# Altium PCB MIS_Locker.PcbDoc (part 1 of 3) (continued)
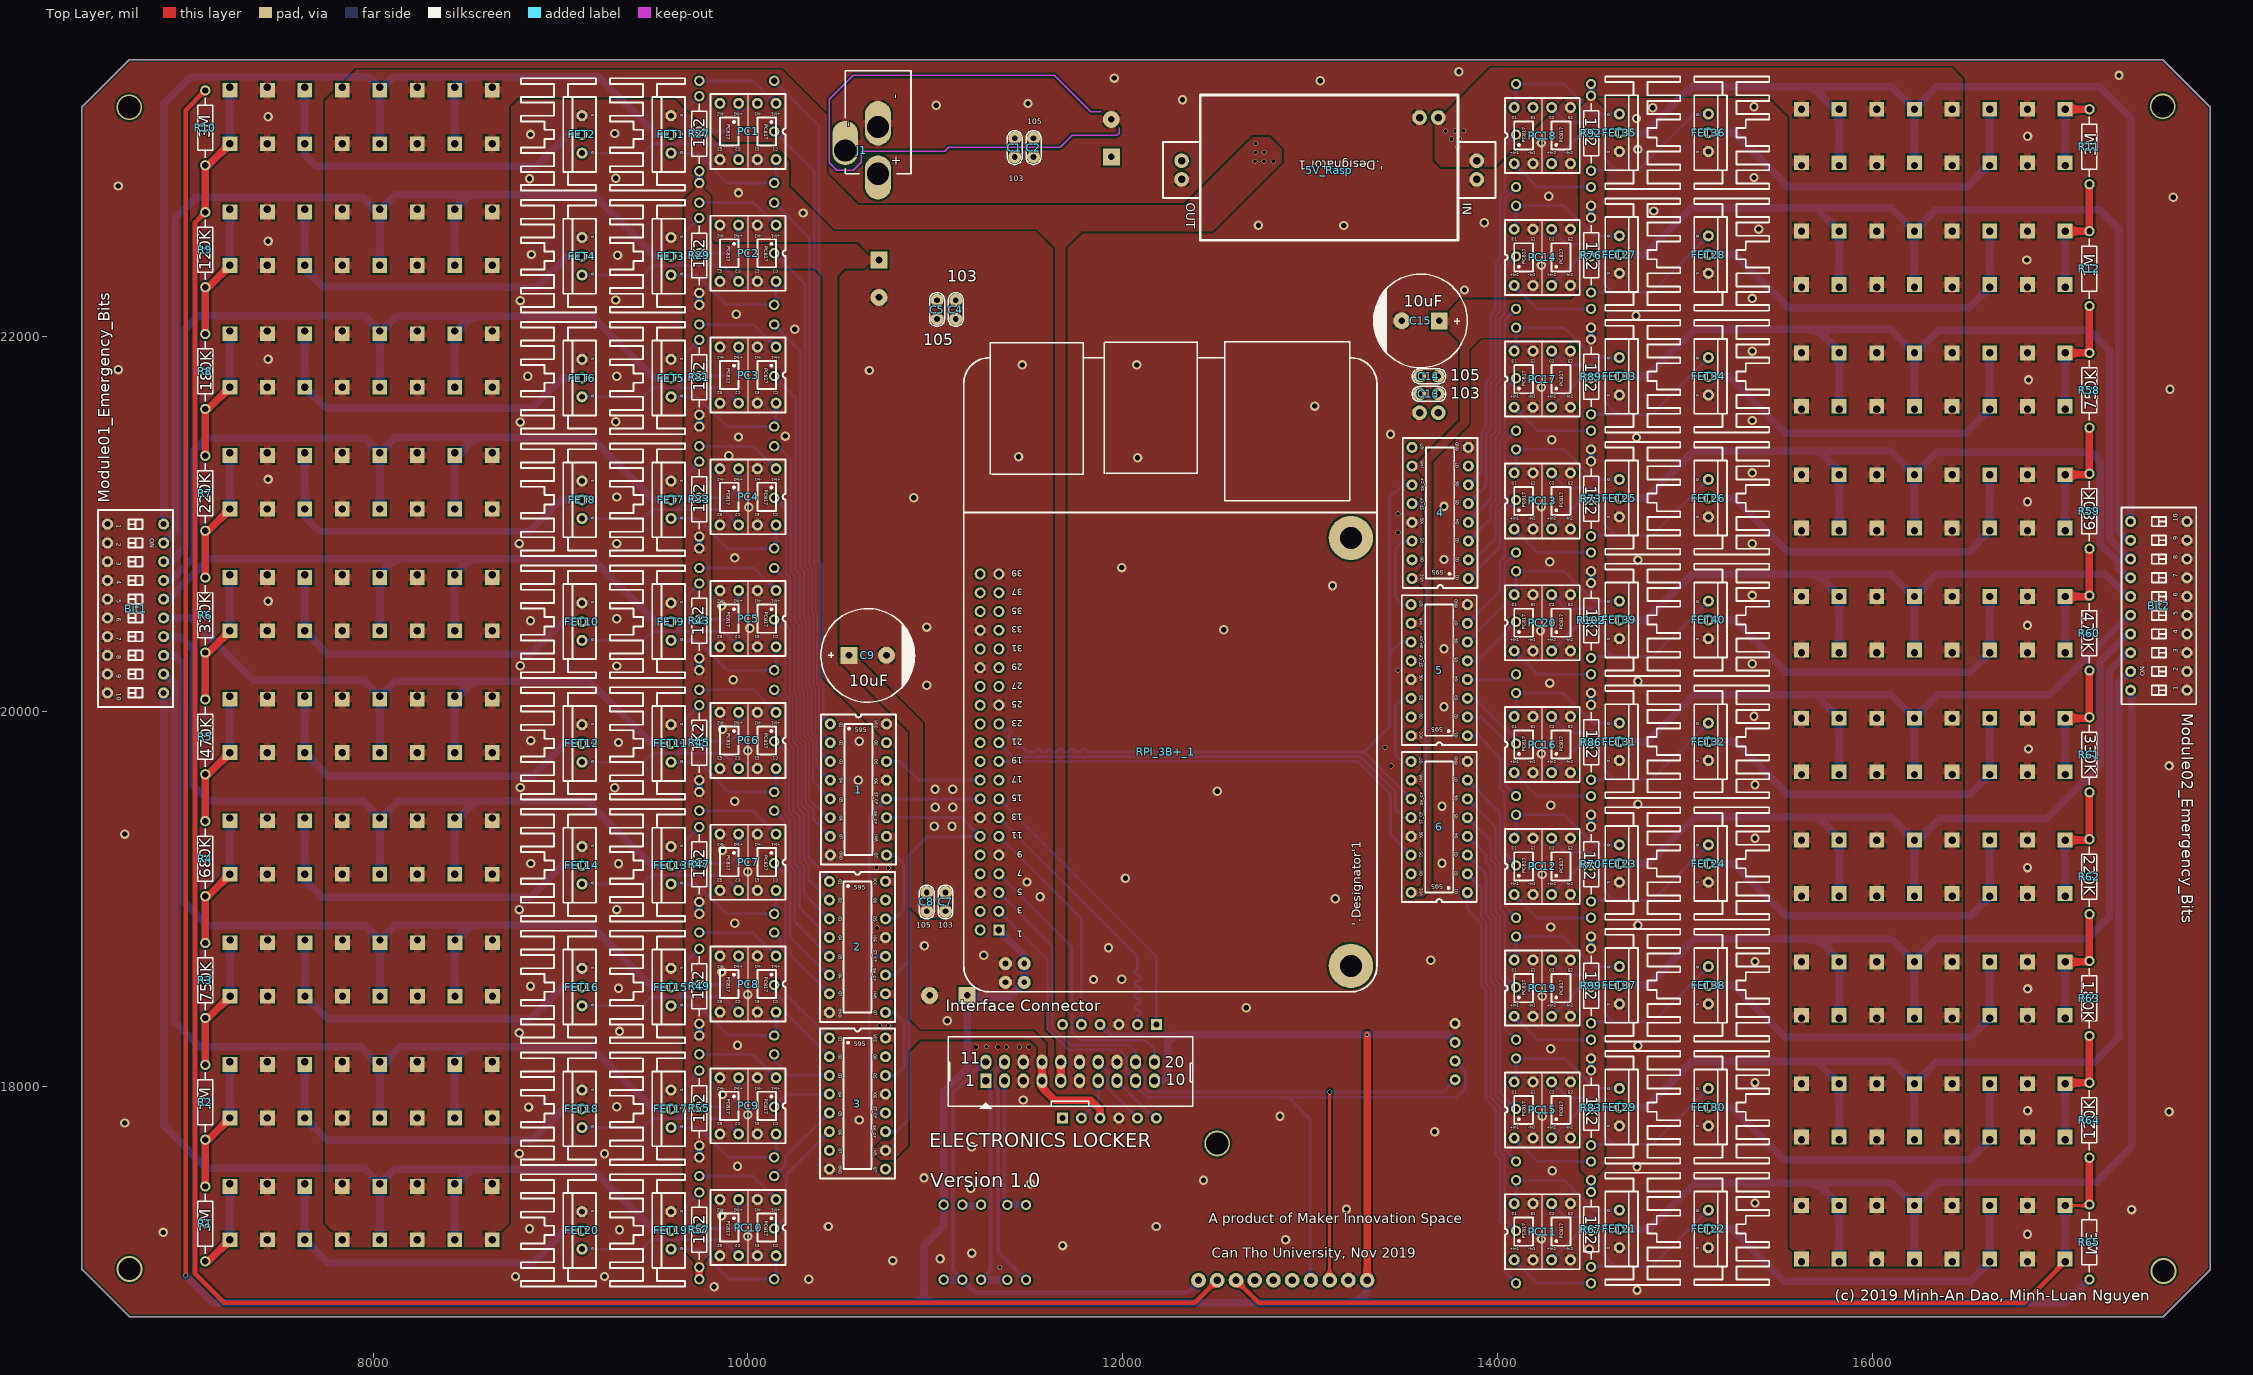
[diagram p0: Top Layer view]
## Design rules (kind name [scope] priority, off if disabled: settings) (continued)
PolygonConnect PolygonConnect_14 [All vs IsNamedPolygon('Bottom Layer-5V')] p28: thpad.connectstyle=Relief thpad.reliefconductorwidth=40 thpad.reliefentries=4 thpad.polygonreliefangle="90 Angle" thpad.airgapwidth=10 smdpad.connectstyle=Relief smdpad.reliefconductorwidth=10 smdpad.reliefentries=4 smdpad.polygonreliefangle="90 Angle" smdpad.airgapwidth=10 via.connectstyle=Direct via.reliefconductorwidth=10 via.reliefentries=4 via.polygonreliefangle="90 Angle" via.airgapwidth=10
PolygonConnect PolygonConnect_13 [All vs IsNamedPolygon('Top Layer-5V 1')] p29: thpad.connectstyle=Relief thpad.reliefconductorwidth=40 thpad.reliefentries=4 thpad.polygonreliefangle="90 Angle" thpad.airgapwidth=10 smdpad.connectstyle=Relief smdpad.reliefconductorwidth=10 smdpad.reliefentries=4 smdpad.polygonreliefangle="90 Angle" smdpad.airgapwidth=10 via.connectstyle=Direct via.reliefconductorwidth=10 via.reliefentries=4 via.polygonreliefangle="90 Angle" via.airgapwidth=10
PolygonConnect PolygonConnect_12 [All vs IsNamedPolygon('Top Layer-5V')] p30: thpad.connectstyle=Relief thpad.reliefconductorwidth=40 thpad.reliefentries=4 thpad.polygonreliefangle="90 Angle" thpad.airgapwidth=10 smdpad.connectstyle=Relief smdpad.reliefconductorwidth=10 smdpad.reliefentries=4 smdpad.polygonreliefangle="90 Angle" smdpad.airgapwidth=10 via.connectstyle=Direct via.reliefconductorwidth=10 via.reliefentries=4 via.polygonreliefangle="90 Angle" via.airgapwidth=10
PolygonConnect PolygonConnect_11 [All vs IsNamedPolygon('Top Layer-5V')] p31: thpad.connectstyle=Relief thpad.reliefconductorwidth=40 thpad.reliefentries=4 thpad.polygonreliefangle="90 Angle" thpad.airgapwidth=10 smdpad.connectstyle=Relief smdpad.reliefconductorwidth=10 smdpad.reliefentries=4 smdpad.polygonreliefangle="90 Angle" smdpad.airgapwidth=10 via.connectstyle=Direct via.reliefconductorwidth=10 via.reliefentries=4 via.polygonreliefangle="90 Angle" via.airgapwidth=10
PolygonConnect PolygonConnect_10 [All vs IsNamedPolygon('Top Layer-12V 3')] p32: thpad.connectstyle=Relief thpad.reliefconductorwidth=40 thpad.reliefentries=4 thpad.polygonreliefangle="90 Angle" thpad.airgapwidth=10 smdpad.connectstyle=Relief smdpad.reliefconductorwidth=10 smdpad.reliefentries=4 smdpad.polygonreliefangle="90 Angle" smdpad.airgapwidth=10 via.connectstyle=Direct via.reliefconductorwidth=10 via.reliefentries=4 via.polygonreliefangle="90 Angle" via.airgapwidth=10
PolygonConnect PolygonConnect_9 [All vs IsNamedPolygon('12V_L01_P030')] p33: thpad.connectstyle=Relief thpad.reliefconductorwidth=40 thpad.reliefentries=4 thpad.polygonreliefangle="90 Angle" thpad.airgapwidth=10 smdpad.connectstyle=Relief smdpad.reliefconductorwidth=10 smdpad.reliefentries=4 smdpad.polygonreliefangle="90 Angle" smdpad.airgapwidth=10 via.connectstyle=Direct via.reliefconductorwidth=10 via.reliefentries=4 via.polygonreliefangle="90 Angle" via.airgapwidth=10
PolygonConnect PolygonConnect_8 [All vs IsNamedPolygon('12V_L02_P016')] p34: thpad.connectstyle=Relief thpad.reliefconductorwidth=40 thpad.reliefentries=4 thpad.polygonreliefangle="90 Angle" thpad.airgapwidth=10 smdpad.connectstyle=Relief smdpad.reliefconductorwidth=10 smdpad.reliefentries=4 smdpad.polygonreliefangle="90 Angle" smdpad.airgapwidth=10 via.connectstyle=Direct via.reliefconductorwidth=10 via.reliefentries=4 via.polygonreliefangle="90 Angle" via.airgapwidth=10
PolygonConnect PolygonConnect_7 [All vs IsNamedPolygon('Isolated_GND')] p35: thpad.connectstyle=Relief thpad.reliefconductorwidth=40 thpad.reliefentries=4 thpad.polygonreliefangle="90 Angle" thpad.airgapwidth=10 smdpad.connectstyle=Relief smdpad.reliefconductorwidth=10 smdpad.reliefentries=4 smdpad.polygonreliefangle="90 Angle" smdpad.airgapwidth=10 via.connectstyle=Direct via.reliefconductorwidth=10 via.reliefentries=4 via.polygonreliefangle="90 Angle" via.airgapwidth=10
PolygonConnect PolygonConnect_6 [All vs IsNamedPolygon('Top Layer-12V')] p36: thpad.connectstyle=Relief thpad.reliefconductorwidth=40 thpad.reliefentries=4 thpad.polygonreliefangle="90 Angle" thpad.airgapwidth=10 smdpad.connectstyle=Relief smdpad.reliefconductorwidth=10 smdpad.reliefentries=4 smdpad.polygonreliefangle="90 Angle" smdpad.airgapwidth=10 via.connectstyle=Direct via.reliefconductorwidth=10 via.reliefentries=4 via.polygonreliefangle="90 Angle" via.airgapwidth=10
PolygonConnect PolygonConnect_5 [All vs IsNamedPolygon('Top Layer-12V')] p37: thpad.connectstyle=Relief thpad.reliefconductorwidth=40 thpad.reliefentries=4 thpad.polygonreliefangle="90 Angle" thpad.airgapwidth=10 smdpad.connectstyle=Relief smdpad.reliefconductorwidth=10 smdpad.reliefentries=4 smdpad.polygonreliefangle="90 Angle" smdpad.airgapwidth=10 via.connectstyle=Relief via.reliefconductorwidth=10 via.reliefentries=4 via.polygonreliefangle="90 Angle" via.airgapwidth=10
PolygonConnect PolygonConnect_4 [All vs IsNamedPolygon('Top Layer-12V 1')] p38: thpad.connectstyle=NoConnect thpad.reliefconductorwidth=10 thpad.reliefentries=4 thpad.polygonreliefangle="90 Angle" thpad.airgapwidth=10 smdpad.connectstyle=Relief smdpad.reliefconductorwidth=10 smdpad.reliefentries=4 smdpad.polygonreliefangle="90 Angle" smdpad.airgapwidth=10 via.connectstyle=Relief via.reliefconductorwidth=10 via.reliefentries=4 via.polygonreliefangle="90 Angle" via.airgapwidth=10
PolygonConnect PolygonConnect_3 [All vs IsNamedPolygon('Bottom Layer-12V 1')] p39: thpad.connectstyle=Relief thpad.reliefconductorwidth=40 thpad.reliefentries=4 thpad.polygonreliefangle="90 Angle" thpad.airgapwidth=10 smdpad.connectstyle=Relief smdpad.reliefconductorwidth=10 smdpad.reliefentries=4 smdpad.polygonreliefangle="90 Angle" smdpad.airgapwidth=10 via.connectstyle=Relief via.reliefconductorwidth=10 via.reliefentries=4 via.polygonreliefangle="90 Angle" via.airgapwidth=10
PolygonConnect PolygonConnect_2 [All vs IsNamedPolygon('12V_L02_P016')] p40: thpad.connectstyle=Relief thpad.reliefconductorwidth=40 thpad.reliefentries=4 thpad.polygonreliefangle="90 Angle" thpad.airgapwidth=10 smdpad.connectstyle=Relief smdpad.reliefconductorwidth=10 smdpad.reliefentries=4 smdpad.polygonreliefangle="90 Angle" smdpad.airgapwidth=10 via.connectstyle=Relief via.reliefconductorwidth=10 via.reliefentries=4 via.polygonreliefangle="90 Angle" via.airgapwidth=10
PolygonConnect PolygonConnect_1 [All vs IsNamedPolygon('Isolated_GND')] p41: thpad.connectstyle=Relief thpad.reliefconductorwidth=40 thpad.reliefentries=4 thpad.polygonreliefangle="90 Angle" thpad.airgapwidth=10 smdpad.connectstyle=Relief smdpad.reliefconductorwidth=10 smdpad.reliefentries=4 smdpad.polygonreliefangle="90 Angle" smdpad.airgapwidth=10 via.connectstyle=Relief via.reliefconductorwidth=10 via.reliefentries=4 via.polygonreliefangle="90 Angle" via.airgapwidth=10
PolygonConnect [All] p42: connectstyle=Relief reliefconductorwidth=10 reliefentries=4 polygonreliefangle="90 Angle" airgapwidth=10
RoomDefinition Interface [InComponentClass('Interface')] p1: confinementstyle=ConfineIn formatcopy=TRUE lockcomponents=FALSE outline 13395,18770 10230,18770 10230,16770 13395,16770
RoomDefinition MCU [InComponentClass('MCU')] p2: confinementstyle=ConfineIn formatcopy=TRUE lockcomponents=FALSE outline 13920,22034.06 10360,22034.06 10360,16795 13920,16795
RoomDefinition Module02 [InComponentClass('Module02')] p3: confinementstyle=ConfineIn formatcopy=TRUE lockcomponents=FALSE outline 13455,16919.06 17210,16919.06 17210,23404.06 13455,23404.06
RoomDefinition Power [InComponentClass('Power')] p4: confinementstyle=ConfineIn formatcopy=TRUE lockcomponents=FALSE outline 10445,21485 14050,21485 14050,23435 10445,23435
RoomDefinition GPIO_M2 [InComponentClass('GPIO_M2')] p5: confinementstyle=ConfineIn formatcopy=TRUE lockcomponents=FALSE outline 15500,23434.06 17740,23434.06 17740,16894.06 15500,16894.06
RoomDefinition GPIO_M1 [InComponentClass('GPIO_M1')] p6: confinementstyle=ConfineIn formatcopy=TRUE lockcomponents=FALSE outline 8750,16890 6525,16890 6525,23421 8750,23421
RoomDefinition Module01 [InComponentClass('Module01')] p7: confinementstyle=ConfineIn formatcopy=TRUE lockcomponents=FALSE outline 7055,16920 10805,16920 10805,23404.06 7055,23404.06
RoomDefinition FETs_M2 [InComponentClass('FETs_M2')] p8: confinementstyle=ConfineIn formatcopy=TRUE lockcomponents=FALSE outline 15480,23434.06 14015,23434.06 14015,16899.06 15480,16899.06
RoomDefinition FETs_M1 [InComponentClass('FETs_M1')] p9: confinementstyle=ConfineIn formatcopy=TRUE lockcomponents=FALSE outline 8770,16890 10240,16890 10240,23422 8770,23422
RoutingVias [All] p1: holewidth=15 width=25 viastyle="Through Hole" minholewidth=10 minwidth=20 maxholewidth=28 maxwidth=50
SilkToSilkClearance [All] p1: silktosilkclearance=0
SilkToSolderMaskClearance [IsPad] p1: minsilkscreentomaskgap=0 clearancetoexposedcopper=TRUE
SolderMaskExpansion [All] p1: expansion=4
Width [All] p1: maxlimit=40 minlimit=10 preferedwidth=15
25 further rules are at their usual default settings.

## Classes and differential pairs
component class Module02: 4 5 6 R11 R12 R58 R59 R60 R61 R62 R63 R64 R65
component class GPIO_M2: *81 *82 *83 *84 *85 *86 *87 *88 *89 *90 *91 *92 *93 *94 *95 *96 *97 *98 *99 *100 *101 *102 *103 *104 *105 *106 *107 *108 *109 *110 *111 *112 *113 *114 *115 *116 *117 *118 *119 *120 *121 *122 *123 *124 *125 *126 *127 *128 *129 *130 *131 *132 *133 *134 *135 *136 *137 *138 *139 *140 *141 *142 *143 *144 *145 *146 *147 *148 *149 *150 *151 *152 *153 *154 *155 *156 *157 *158 *159 *160 Bit2
component class FETs_M2: FET21 FET22 FET23 FET24 FET25 FET26 FET27 FET28 FET29 FET30 FET31 FET32 FET33 FET34 FET35 FET36 FET37 FET38 FET39 FET40 PC11 PC12 PC13 PC14 PC15 PC16 PC17 PC18 PC19 PC20 R66 R67 R68 R69 R70 R71 R72 R73 R74 R75 R76 R77 R78 R79 R80 R81 R82 R83 R84 R85 R86 R87 R88 R89 R90 R91 R92 R93 R94 R95 R96 R97 R98 R99 R100 R101 R102 R103 R104 R105
component class Power: 5V_peripheral 5V_Rasp C1 C2 C3 C4 C5 C6 C13 C14 C15 J1
component class Module01: 1 2 3 R1 R2 R3 R4 R5 R6 R7 R8 R9 R10
component class MCU: ADS1 C7 C8 C9 C10 C11 C12 RPI_3B+_1 RTC1
component class Interface: Converter_1 "Interface Connector" R13 R14 R15 R16 R17
component class FETs_M1: FET1 FET2 FET3 FET4 FET5 FET6 FET7 FET8 FET9 FET10 FET11 FET12 FET13 FET14 FET15 FET16 FET17 FET18 FET19 FET20 PC1 PC2 PC3 PC4 PC5 PC6 PC7 PC8 PC9 PC10 R18 R19 R20 R21 R22 R23 R24 R25 R26 R27 R28 R29 R30 R31 R32 R33 R34 R35 R36 R37 R38 R39 R40 R41 R42 R43 R44 R45 R46 R47 R48 R49 R50 R51 R52 R53 R54 R55 R56 R57
component class GPIO_M1: *1 *2 *3 *4 *5 *6 *7 *8 *9 *10 *11 *12 *13 *14 *15 *16 *17 *18 *19 *20 *21 *22 *23 *24 *25 *26 *27 *28 *29 *30 *31 *32 *33 *34 *35 *36 *37 *38 *39 *40 *41 *42 *43 *44 *45 *46 *47 *48 *49 *50 *51 *52 *53 *54 *55 *56 *57 *58 *59 *60 *61 *62 *63 *64 *65 *66 *67 *68 *69 *70 *71 *72 *73 *74 *75 *76 *77 *78 *79 *80 Bit1 D01 GND
differential pair 3: +3_P -3_N
differential pair 2: +2_P -2_N
differential pair 1: +1_P -1_N

## Components (designator, comment, footprint, x,y, rotation, side; value= is the part's Value field where it differs from the comment)
1 "5#HC74595" 5#HC74595 10440.02,19934.06 r270 top
2 "5#HC74595" 5#HC74595 10435.02,19094.06 r270 top
3 "5#HC74595" 5#HC74595 10435.04,18258.13 r270 top
4 "5#HC74595" 5#HC74595 13845.02,20710 r90 top
5 "5#HC74595" 5#HC74595 13840.02,19870.94 r90 top
5V_peripheral "UBEC" UBEC 14035,23070 r270 bottom
5V_Rasp "UBEC" UBEC 13790,23290 r180 top
6 "5#HC74595" 5#HC74595 13840.02,19034.06 r90 top
*1 "D01" 5#Terminalx1 7236.06,23330.94 r180 bottom
*2 "D06" 5#Terminalx1 7236.06,20080.94 r180 bottom
*3 "GND" 5#Terminalx1 7436.06,23330.94 r180 bottom
*4 "GND" 5#Terminalx1 7436.06,20080.94 r180 bottom
*5 "D02" 5#Terminalx1 7236.06,22680.94 r180 bottom
*6 "D07" 5#Terminalx1 7236.06,19431.87 r180 bottom
*7 "GND" 5#Terminalx1 7436.06,22680.94 r180 bottom
*8 "GND" 5#Terminalx1 7436.06,19431.87 r180 bottom
*9 "D03" 5#Terminalx1 7236.06,22030.94 r180 bottom
*10 "D08" 5#Terminalx1 7237.13,18780.94 r180 bottom
*11 "GND" 5#Terminalx1 7436.06,22030.94 r180 bottom
*12 "GND" 5#Terminalx1 7437.13,18780.94 r180 bottom
*13 "D04" 5#Terminalx1 7236.06,21380.94 r180 bottom
*14 "D09" 5#Terminalx1 7236.06,18130.94 r180 bottom
*15 "GND" 5#Terminalx1 7436.06,21380.94 r180 bottom
*16 "GND" 5#Terminalx1 7436.06,18130.94 r180 bottom
*17 "D05" 5#Terminalx1 7236.06,20730.94 r180 bottom
*18 "D10" 5#Terminalx1 7236.06,17480.94 r180 bottom
*19 "GND" 5#Terminalx1 7436.06,20730.94 r180 bottom
*20 "GND" 5#Terminalx1 7436.06,17480.94 r180 bottom
*21 "12V" 5#Terminalx1 8636.06,23330.94 r180 bottom
*22 "12V" 5#Terminalx1 8636.06,20080.94 r180 bottom
*23 "12V" 5#Terminalx1 8236.06,23330.94 r180 bottom
*24 "12V" 5#Terminalx1 8236.06,20080.94 r180 bottom
*25 "12V" 5#Terminalx1 7836.06,23330.94 r180 bottom
*26 "12V" 5#Terminalx1 7836.06,20080.94 r180 bottom
*27 "S01" 5#Terminalx1 8436.06,23330.94 r180 bottom
*28 "S06" 5#Terminalx1 8436.06,20080.94 r180 bottom
*29 "G01" 5#Terminalx1 8036.06,23330.94 r180 bottom
*30 "G06" 5#Terminalx1 8036.06,20080.94 r180 bottom
*31 "R01" 5#Terminalx1 7636.06,23330.94 r180 bottom
*32 "R06" 5#Terminalx1 7636.06,20080.94 r180 bottom
*33 "12V" 5#Terminalx1 8636.06,22680.94 r180 bottom
*34 "12V" 5#Terminalx1 8636.06,19431.87 r180 bottom
*35 "12V" 5#Terminalx1 8236.06,22680.94 r180 bottom
*36 "12V" 5#Terminalx1 8236.06,19431.87 r180 bottom
*37 "12V" 5#Terminalx1 7836.06,22680.94 r180 bottom
*38 "12V" 5#Terminalx1 7836.06,19431.87 r180 bottom
*39 "S02" 5#Terminalx1 8436.06,22680.94 r180 bottom
*40 "S07" 5#Terminalx1 8436.06,19431.87 r180 bottom
*41 "G02" 5#Terminalx1 8036.06,22680.94 r180 bottom
*42 "G07" 5#Terminalx1 8036.06,19431.87 r180 bottom
*43 "R02" 5#Terminalx1 7636.06,22680.94 r180 bottom
*44 "R07" 5#Terminalx1 7636.06,19431.87 r180 bottom
*45 "12V" 5#Terminalx1 8636.06,22030.94 r180 bottom
*46 "12V" 5#Terminalx1 8637.13,18780.94 r180 bottom
*47 "12V" 5#Terminalx1 8236.06,22030.94 r180 bottom
*48 "12V" 5#Terminalx1 8237.13,18780.94 r180 bottom
*49 "12V" 5#Terminalx1 7836.06,22030.94 r180 bottom
*50 "12V" 5#Terminalx1 7837.13,18780.94 r180 bottom
*51 "S03" 5#Terminalx1 8436.06,22030.94 r180 bottom
*52 "S08" 5#Terminalx1 8437.13,18780.94 r180 bottom
*53 "G03" 5#Terminalx1 8036.06,22030.94 r180 bottom
*54 "G08" 5#Terminalx1 8037.13,18780.94 r180 bottom
*55 "R03" 5#Terminalx1 7636.06,22030.94 r180 bottom
*56 "R08" 5#Terminalx1 7637.13,18780.94 r180 bottom
*57 "12V" 5#Terminalx1 8636.06,21380.94 r180 bottom
*58 "12V" 5#Terminalx1 8636.06,18130.94 r180 bottom
*59 "12V" 5#Terminalx1 8236.06,21380.94 r180 bottom
*60 "12V" 5#Terminalx1 8236.06,18130.94 r180 bottom
*61 "12V" 5#Terminalx1 7836.06,21380.94 r180 bottom
*62 "12V" 5#Terminalx1 7836.06,18130.94 r180 bottom
*63 "S04" 5#Terminalx1 8436.06,21380.94 r180 bottom
*64 "S09" 5#Terminalx1 8436.06,18130.94 r180 bottom
*65 "G04" 5#Terminalx1 8036.06,21380.94 r180 bottom
*66 "G09" 5#Terminalx1 8036.06,18130.94 r180 bottom
*67 "R04" 5#Terminalx1 7636.06,21380.94 r180 bottom
*68 "R09" 5#Terminalx1 7636.06,18130.94 r180 bottom
*69 "12V" 5#Terminalx1 8636.06,20730.94 r180 bottom
*70 "12V" 5#Terminalx1 8636.06,17480.94 r180 bottom
*71 "12V" 5#Terminalx1 8236.06,20730.94 r180 bottom
*72 "12V" 5#Terminalx1 8236.06,17480.94 r180 bottom
*73 "12V" 5#Terminalx1 7836.06,20730.94 r180 bottom
*74 "12V" 5#Terminalx1 7836.06,17480.94 r180 bottom
*75 "S05" 5#Terminalx1 8436.06,20730.94 r180 bottom
*76 "S10" 5#Terminalx1 8436.06,17480.94 r180 bottom
*77 "G05" 5#Terminalx1 8036.06,20730.94 r180 bottom
*78 "G10" 5#Terminalx1 8036.06,17480.94 r180 bottom
*79 "R05" 5#Terminalx1 7636.06,20730.94 r180 bottom
*80 "R10" 5#Terminalx1 7636.06,17480.94 r180 bottom
*81 "D11" 5#Terminalx1 17030,17064.06 r0 bottom
*82 "GND" 5#Terminalx1 16829,17064.06 r0 bottom
*83 "D12" 5#Terminalx1 17030,17714.06 r0 bottom
*84 "GND" 5#Terminalx1 16829,17714.06 r0 bottom
*85 "D13" 5#Terminalx1 17030,18364.06 r0 bottom
*86 "GND" 5#Terminalx1 16829,18364.06 r0 bottom
*87 "D14" 5#Terminalx1 17030,19014.06 r0 bottom
*88 "GND" 5#Terminalx1 16829,19014.06 r0 bottom
*89 "D15" 5#Terminalx1 17030,19664.06 r0 bottom
*90 "GND" 5#Terminalx1 16829,19664.06 r0 bottom
*91 "D16" 5#Terminalx1 17030,20314.06 r0 bottom
*92 "GND" 5#Terminalx1 16829,20314.06 r0 bottom
*93 "D17" 5#Terminalx1 17030,20964.06 r0 bottom
*94 "GND" 5#Terminalx1 16829,20964.06 r0 bottom
*95 "D18" 5#Terminalx1 17030,21614.06 r0 bottom
*96 "GND" 5#Terminalx1 16829,21614.06 r0 bottom
*97 "D19" 5#Terminalx1 17030,22264.06 r0 bottom
*98 "GND" 5#Terminalx1 16829,22264.06 r0 bottom
*99 "D20" 5#Terminalx1 17030,22914.06 r0 bottom
*100 "GND" 5#Terminalx1 16829,22914.06 r0 bottom
*101 "12V" 5#Terminalx1 15623,17064.06 r0 bottom
*102 "12V" 5#Terminalx1 16025,17064.06 r0 bottom
*103 "12V" 5#Terminalx1 16427,17064.06 r0 bottom
*104 "S11" 5#Terminalx1 15824,17064.06 r0 bottom
*105 "G11" 5#Terminalx1 16226,17064.06 r0 bottom
*106 "R11" 5#Terminalx1 16628,17064.06 r0 bottom
*107 "12V" 5#Terminalx1 15623,17714.06 r0 bottom
*108 "12V" 5#Terminalx1 16025,17714.06 r0 bottom
*109 "12V" 5#Terminalx1 16427,17714.06 r0 bottom
*110 "S12" 5#Terminalx1 15824,17714.06 r0 bottom
*111 "G12" 5#Terminalx1 16226,17714.06 r0 bottom
*112 "R12" 5#Terminalx1 16628,17714.06 r0 bottom
*113 "12V" 5#Terminalx1 15623,18364.06 r0 bottom
*114 "12V" 5#Terminalx1 16025,18364.06 r0 bottom
*115 "12V" 5#Terminalx1 16427,18364.06 r0 bottom
*116 "S13" 5#Terminalx1 15824,18364.06 r0 bottom
*117 "G13" 5#Terminalx1 16226,18364.06 r0 bottom
*118 "R13" 5#Terminalx1 16628,18364.06 r0 bottom
*119 "12V" 5#Terminalx1 15623,19014.06 r0 bottom
*120 "12V" 5#Terminalx1 16025,19014.06 r0 bottom
*121 "12V" 5#Terminalx1 16427,19014.06 r0 bottom
*122 "S14" 5#Terminalx1 15824,19014.06 r0 bottom
*123 "G14" 5#Terminalx1 16226,19014.06 r0 bottom
*124 "R14" 5#Terminalx1 16628,19014.06 r0 bottom
*125 "12V" 5#Terminalx1 15623,19664.06 r0 bottom
*126 "12V" 5#Terminalx1 16025,19664.06 r0 bottom
*127 "12V" 5#Terminalx1 16427,19664.06 r0 bottom
*128 "S15" 5#Terminalx1 15824,19664.06 r0 bottom
*129 "G15" 5#Terminalx1 16226,19664.06 r0 bottom
*130 "R15" 5#Terminalx1 16628,19664.06 r0 bottom
*131 "12V" 5#Terminalx1 16025,20314.06 r0 bottom
*132 "12V" 5#Terminalx1 16427,20314.06 r0 bottom
*133 "12V" 5#Terminalx1 15623,20314.06 r0 bottom
*134 "S16" 5#Terminalx1 15824,20314.06 r0 bottom
*135 "G16" 5#Terminalx1 16226,20314.06 r0 bottom
*136 "R16" 5#Terminalx1 16628,20314.06 r0 bottom
*137 "12V" 5#Terminalx1 15623,20964.06 r0 bottom
*138 "12V" 5#Terminalx1 16025,20964.06 r0 bottom
*139 "12V" 5#Terminalx1 16427,20964.06 r0 bottom
*140 "S17" 5#Terminalx1 15824,20964.06 r0 bottom
*141 "G17" 5#Terminalx1 16226,20964.06 r0 bottom
*142 "R17" 5#Terminalx1 16628,20964.06 r0 bottom
*143 "12V" 5#Terminalx1 15623,21614.06 r0 bottom
*144 "12V" 5#Terminalx1 16025,21614.06 r0 bottom
*145 "12V" 5#Terminalx1 16427,21614.06 r0 bottom
*146 "S18" 5#Terminalx1 15824,21614.06 r0 bottom
*147 "G18" 5#Terminalx1 16226,21614.06 r0 bottom
*148 "R18" 5#Terminalx1 16628,21614.06 r0 bottom
*149 "12V" 5#Terminalx1 16427,22264.06 r0 bottom
*150 "12V" 5#Terminalx1 15623,22264.06 r0 bottom
*151 "12V" 5#Terminalx1 16025,22264.06 r0 bottom
*152 "S19" 5#Terminalx1 15824,22264.06 r0 bottom
*153 "G19" 5#Terminalx1 16226,22264.06 r0 bottom
*154 "R19" 5#Terminalx1 16628,22264.06 r0 bottom
*155 "12V" 5#Terminalx1 15623,22914.06 r0 bottom
*156 "12V" 5#Terminalx1 16025,22914.06 r0 bottom
*157 "12V" 5#Terminalx1 16427,22914.06 r0 bottom
*158 "S20" 5#Terminalx1 16226,22914.06 r0 bottom
*159 "G20" 5#Terminalx1 15824,22914.06 r0 bottom
*160 "R20" 5#Terminalx1 16628,22914.06 r0 bottom
ADS1 "ADS1015" 6_ADS1015 13405,16890 r180 bottom
Bit1 "Module01_Emergency_Bits" 6#Bit_Switch_10 6582.5,21000 r270 top
Bit2 "Module02_Emergency_Bits" 6#Bit_Switch_10 17680,20114.06 r90 top
C1 "103" CN1 11425,23060 r270 top value=100pF
C2 "105" CN1 11525,23060 r270 top value=100pF
C3 "10uF" CP2/5 11940,22960 r90 bottom
C4 "103" CN1 11110,22094.98 r90 top value=100pF
C5 "105" CN1 11010,22094.98 r90 top value=100pF
C6 "10uF" CP2/5 10700,22410 r270 bottom
C7 "103" CN1 11055,19034.06 r270 top value=100pF
C8 "105" CN1 10955,19034.06 r270 top value=100pF
C9 "10uF" CP2/5 10540,20300 r0 top
C10 "103" CN1 11374.94,18554.98 r0 bottom value=100pF
C11 "105" CN1 11375,18655 r0 bottom value=100pF
C12 "10uF" CP2/5 11170,18485 r180 bottom
C13 "103" CN1 13585,21695 r0 top value=100pF
C14 "105" CN1 13585,21790 r0 top value=100pF
C15 "10uF" CP2/5 13690,22085 r180 top
Converter_1 "Bidirection converter" 5V_3V3_Converter 12180,17830 r180 bottom
FET1 "5#IRF540N" 5#IRF540N 9590,22980 r90 top
FET2 "5#IRF540N" 5#IRF540N 9115,22980 r90 top
FET3 "5#IRF540N" 5#IRF540N 9590,22330 r90 top
FET4 "5#IRF540N" 5#IRF540N 9115,22330 r90 top
FET5 "5#IRF540N" 5#IRF540N 9590,21680 r90 top
FET6 "5#IRF540N" 5#IRF540N 9115,21680 r90 top
FET7 "5#IRF540N" 5#IRF540N 9590,21030 r90 top
FET8 "5#IRF540N" 5#IRF540N 9115,21030 r90 top
FET9 "5#IRF540N" 5#IRF540N 9590,20380 r90 top
FET10 "5#IRF540N" 5#IRF540N 9115,20380 r90 top
FET11 "5#IRF540N" 5#IRF540N 9590,19730 r90 top
FET12 "5#IRF540N" 5#IRF540N 9115,19730 r90 top
FET13 "5#IRF540N" 5#IRF540N 9590,19080 r90 top
FET14 "5#IRF540N" 5#IRF540N 9115,19080 r90 top
FET15 "5#IRF540N" 5#IRF540N 9590,18430 r90 top
FET16 "5#IRF540N" 5#IRF540N 9115,18430 r90 top
FET17 "5#IRF540N" 5#IRF540N 9590,17780 r90 top
FET18 "5#IRF540N" 5#IRF540N 9115,17780 r90 top
FET19 "5#IRF540N" 5#IRF540N 9590,17130.94 r90 top
FET20 "5#IRF540N" 5#IRF540N 9115,17130.94 r90 top
FET21 "5#IRF540N" 5#IRF540N 14651,17339.13 r270 top
FET22 "5#IRF540N" 5#IRF540N 15126,17339.13 r270 top
FET23 "5#IRF540N" 5#IRF540N 14651,19289.13 r270 top
FET24 "5#IRF540N" 5#IRF540N 15126,19289.13 r270 top
FET25 "5#IRF540N" 5#IRF540N 14651,21239.13 r270 top
FET26 "5#IRF540N" 5#IRF540N 15126,21239.13 r270 top
FET27 "5#IRF540N" 5#IRF540N 14651,22539.13 r270 top
FET28 "5#IRF540N" 5#IRF540N 15126,22539.13 r270 top
FET29 "5#IRF540N" 5#IRF540N 14651,17989.13 r270 top
FET30 "5#IRF540N" 5#IRF540N 15126,17989.13 r270 top
FET31 "5#IRF540N" 5#IRF540N 14651,19939.13 r270 top
FET32 "5#IRF540N" 5#IRF540N 15126,19939.13 r270 top
FET33 "5#IRF540N" 5#IRF540N 14651,21889.13 r270 top
FET34 "5#IRF540N" 5#IRF540N 15126,21889.13 r270 top
FET35 "5#IRF540N" 5#IRF540N 14651,23189.13 r270 top
FET36 "5#IRF540N" 5#IRF540N 15126,23189.13 r270 top
FET37 "5#IRF540N" 5#IRF540N 14651,18639.13 r270 top
FET38 "5#IRF540N" 5#IRF540N 15126,18639.13 r270 top
FET39 "5#IRF540N" 5#IRF540N 14651,20589.13 r270 top
FET40 "5#IRF540N" 5#IRF540N 15126,20589.13 r270 top
"Interface Connector" "IDC 10X2" IDC20 11270,18030 r0 top value="Header 5x2"
J1 "5#DC Jack 2.54mm" "5#DC Jack 2.54mm" 10695,23120 r270 top
PC1 "5#Dip8_PC817x2" 5#Dip8_PC817x2 10151,23246 r180 top
PC2 "5#Dip8_PC817x2" 5#Dip8_PC817x2 10151,22596 r180 top
PC3 "5#Dip8_PC817x2" 5#Dip8_PC817x2 10151,21946 r180 top
PC4 "5#Dip8_PC817x2" 5#Dip8_PC817x2 10151,21296 r180 top
PC5 "5#Dip8_PC817x2" 5#Dip8_PC817x2 10151,20646 r180 top
PC6 "5#Dip8_PC817x2" 5#Dip8_PC817x2 10151,19996 r180 top
PC7 "5#Dip8_PC817x2" 5#Dip8_PC817x2 10151,19346 r180 top
PC8 "5#Dip8_PC817x2" 5#Dip8_PC817x2 10151,18696 r180 top
PC9 "5#Dip8_PC817x2" 5#Dip8_PC817x2 10151,18046 r180 top
PC10 "5#Dip8_PC817x2" 5#Dip8_PC817x2 10151,17396 r180 top
PC11 "5#Dip8_PC817x2" 5#Dip8_PC817x2 14090,17074.06 r0 top
PC12 "5#Dip8_PC817x2" 5#Dip8_PC817x2 14090,19024.06 r0 top
PC13 "5#Dip8_PC817x2" 5#Dip8_PC817x2 14090,20974.06 r0 top
PC14 "5#Dip8_PC817x2" 5#Dip8_PC817x2 14090,22274.06 r0 top
PC15 "5#Dip8_PC817x2" 5#Dip8_PC817x2 14090,17724.06 r0 top
PC16 "5#Dip8_PC817x2" 5#Dip8_PC817x2 14090,19674.06 r0 top
PC17 "5#Dip8_PC817x2" 5#Dip8_PC817x2 14090,21624.06 r0 top
PC18 "5#Dip8_PC817x2" 5#Dip8_PC817x2 14090,22924.06 r0 top
PC19 "5#Dip8_PC817x2" 5#Dip8_PC817x2 14090,18374.06 r0 top
PC20 "5#Dip8_PC817x2" 5#Dip8_PC817x2 14090,20324.06 r0 top
R1 "3M" AXIAL-0.4 7105,17265.94 r270 top
R2 "1M" AXIAL-0.4 7105,17915 r270 top
R3 "750K" AXIAL-0.4 7105,18565 r270 top
R4 "680K" AXIAL-0.4 7105,19215 r270 top
R5 "470K" AXIAL-0.4 7105,19865 r270 top
R6 "330K" AXIAL-0.4 7105,20515 r270 top
R7 "220K" AXIAL-0.4 7105,21165 r270 top
R8 "180K" AXIAL-0.4 7105,21815 r270 top
R9 "120K" AXIAL-0.4 7105,22465 r270 top
R10 "3M" AXIAL-0.4 7105,23115 r270 top
R11 "3M" AXIAL-0.4 17160,23014.06 r90 top
R12 "1M" AXIAL-0.4 17160,22364.06 r90 top
R13 "3M" AXIAL-0.4 11045.04,17168.16 r270 bottom
R14 "330K" AXIAL-0.4 11145.04,17168.16 r90 bottom
R15 "680K" AXIAL-0.4 11245.04,17168.16 r270 bottom
R16 "1M" AXIAL-0.4 11385.04,17167.23 r90 bottom
R17 "3M" AXIAL-0.4 11485.04,17167.23 r270 bottom
R18 "1K" AXIAL-0.4 9941,23366 r180 bottom
R19 "1K2" AXIAL-0.4 9941,22821 r180 bottom
R20 "1K" AXIAL-0.4 9941,22716 r180 bottom
R21 "1K2" AXIAL-0.4 9941,22171 r180 bottom
R22 "1K" AXIAL-0.4 9941,22066 r180 bottom
R23 "1K2" AXIAL-0.4 9941,21521 r180 bottom
R24 "1K" AXIAL-0.4 9941,21416 r180 bottom
R25 "1K2" AXIAL-0.4 9941,20871 r180 bottom
R26 "1K" AXIAL-0.4 9941,23096 r180 bottom
R27 "1K2" AXIAL-0.4 9741,23084 r270 top
R28 "1K" AXIAL-0.4 9941,22446 r180 bottom
R29 "1K2" AXIAL-0.4 9741,22434 r270 top
R30 "1K" AXIAL-0.4 9941,21791 r180 bottom
R31 "1K2" AXIAL-0.4 9741,21784 r270 top
R32 "1K" AXIAL-0.4 9941,21141 r180 bottom
R33 "1K2" AXIAL-0.4 9741,21134 r270 top
R34 "1K" AXIAL-0.4 9941,20766 r180 bottom
R35 "1K2" AXIAL-0.4 9941,20221 r180 bottom
R36 "1K" AXIAL-0.4 9941,20116 r180 bottom
R37 "1K2" AXIAL-0.4 9941,19571 r180 bottom
R38 "1K" AXIAL-0.4 9941,19471 r180 bottom
R39 "1K2" AXIAL-0.4 9941,18921 r180 bottom
R40 "1K" AXIAL-0.4 9941,18821 r180 bottom
R41 "1K2" AXIAL-0.4 9941,18271 r180 bottom
R42 "1K" AXIAL-0.4 9941,20491 r180 bottom
R43 "1K2" AXIAL-0.4 9741,20484 r270 top
R44 "1K" AXIAL-0.4 9941,19841 r180 bottom
R45 "1K2" AXIAL-0.4 9741,19834 r270 top
R46 "1K" AXIAL-0.4 9941,19191 r180 bottom
R47 "1K2" AXIAL-0.4 9741,19184 r270 top
R48 "1K" AXIAL-0.4 9941,18541 r180 bottom
R49 "1K2" AXIAL-0.4 9741,18534 r270 top
R50 "1K" AXIAL-0.4 9941,18171 r180 bottom
R51 "1K2" AXIAL-0.4 9941,17621 r180 bottom
R52 "1K" AXIAL-0.4 9941,17521 r180 bottom
R53 "1K2" AXIAL-0.4 9941,16971 r180 bottom
R54 "1K" AXIAL-0.4 9941,17891 r180 bottom
R55 "1K2" AXIAL-0.4 9741,17884 r270 top
R56 "1K" AXIAL-0.4 9941,17241 r180 bottom
R57 "1K2" AXIAL-0.4 9741,17234 r270 top
R58 "750K" AXIAL-0.4 17160,21714.06 r90 top
R59 "680K" AXIAL-0.4 17160,21069.06 r90 top
R60 "470K" AXIAL-0.4 17160,20419.06 r90 top
R61 "330K" AXIAL-0.4 17160,19769.06 r90 top
R62 "220K" AXIAL-0.4 17160,19119.06 r90 top
R63 "180K" AXIAL-0.4 17160,18469.06 r90 top
R64 "120K" AXIAL-0.4 17160,17819.06 r90 top
R65 "3M" AXIAL-0.4 17160,17169.06 r90 top
R66 "1K2" AXIAL-0.4 14300,17499.06 r0 bottom
R67 "1K2" AXIAL-0.4 14500,17236.06 r90 top
R68 "1K" AXIAL-0.4 14300,17229.06 r0 bottom
R69 "1K2" AXIAL-0.4 14300,19449.06 r0 bottom
R70 "1K2" AXIAL-0.4 14500,19186.06 r90 top
R71 "1K" AXIAL-0.4 14300,19179.06 r0 bottom
R72 "1K2" AXIAL-0.4 14300,21399.06 r0 bottom
R73 "1K2" AXIAL-0.4 14500,21136.06 r90 top
R74 "1K" AXIAL-0.4 14300,21129.06 r0 bottom
R75 "1K2" AXIAL-0.4 14300,22699.06 r0 bottom
R76 "1K2" AXIAL-0.4 14500,22436.06 r90 top
R77 "1K" AXIAL-0.4 14300,22429.06 r0 bottom
R78 "1K" AXIAL-0.4 14300,16949.06 r0 bottom
R79 "1K" AXIAL-0.4 14300,18899.06 r0 bottom
R80 "1K" AXIAL-0.4 14300,20849.06 r0 bottom
R81 "1K" AXIAL-0.4 14300,22149.06 r0 bottom
R82 "1K2" AXIAL-0.4 14300,18149.06 r0 bottom
R83 "1K2" AXIAL-0.4 14500,17886.06 r90 top
R84 "1K" AXIAL-0.4 14300,17879.06 r0 bottom
R85 "1K2" AXIAL-0.4 14300,20099.06 r0 bottom
R86 "1K2" AXIAL-0.4 14500,19836.06 r90 top
R87 "1K" AXIAL-0.4 14300,19829.06 r0 bottom
R88 "1K2" AXIAL-0.4 14300,22049.06 r0 bottom
R89 "1K2" AXIAL-0.4 14500,21786.06 r90 top
R90 "1K" AXIAL-0.4 14300,21779.06 r0 bottom
R91 "1K2" AXIAL-0.4 14300,23349.06 r0 bottom
R92 "1K2" AXIAL-0.4 14500,23086.06 r90 top
R93 "1K" AXIAL-0.4 14300,23079.06 r0 bottom
R94 "1K" AXIAL-0.4 14300,17599.06 r0 bottom
R95 "1K" AXIAL-0.4 14300,19549.06 r0 bottom
R96 "1K" AXIAL-0.4 14300,21499.06 r0 bottom
R97 "1K" AXIAL-0.4 14300,22799.06 r0 bottom
R98 "1K2" AXIAL-0.4 14300,18799.06 r0 bottom
R99 "1K2" AXIAL-0.4 14500,18536.06 r90 top
R100 "1K" AXIAL-0.4 14300,18529.06 r0 bottom
R101 "1K2" AXIAL-0.4 14300,20749.06 r0 bottom
R102 "1K2" AXIAL-0.4 14500,20486.06 r90 top
R103 "1K" AXIAL-0.4 14300,20479.06 r0 bottom
R104 "1K" AXIAL-0.4 14300,18249.06 r0 bottom
R105 "1K" AXIAL-0.4 14300,20199.06 r0 bottom
RPI_3B+_1 "RPI GPIO Connector" RPI-holes 13220.14,18643.31 r90 top
RTC1 "6#RTC_DS3231_4Pin" 6#RTC_DS3231_4Pin 13775,17835 r0 bottom

## Footprints (in the part's own frame and the unit in brackets; to place one, negate y for a bottom-side part, rotate by r counter-clockwise, add the part's x,y. Pads: shape width x height; smd on the part's side, far side on the other; paste and mask are expansions set on the pad)
"5#DC Jack 2.54mm" [mm] "5#DC Jack 2.54mm"
  oval 6x3.5 hole 3 copper offset -0.5,0: 1(0,0)
  oval 6x3.5 hole 3 copper offset -1,0: 2(3.175,-4.445)
  oval 6x3.5 hole 3 copper offset 0.5,0: 3(6.35,0)
  silkscreen extent -7.62,-4.45 6.35,4.45, body extent -7.87,-5.28 6.75,4.49, height 10.73
5#Dip8_PC817x2 [mm] "5#Dip8_PC817x2"
  round 1.5 hole 0.8: 1(0,0) 2(2.54,0) 3(5.08,0) 4(7.62,0) 5(7.62,7.62) 6(5.08,7.62) 7(2.54,7.62) 8(0,7.62)
  silkscreen extent -1.27,-1.27 8.89,8.89, body extent -1.27,-1.27 8.89,8.89, height 5.29
5#HC74595 [mm] "5#HC74595"
  round 1.5 hole 0.8: 1(0,0) 2(2.54,0) 3(5.08,0) 4(7.62,0) 5(10.16,0) 6(12.7,0) 7(15.24,0) 8(17.78,0) 9(17.78,7.62) 10(15.24,7.62) 11(12.7,7.62) 12(10.16,7.62) 13(7.62,7.62) 14(5.08,7.62) 15(2.54,7.62) 16(0,7.62)
  silkscreen extent -1.27,-1.27 19.05,8.89, body extent -1.27,-1.27 19.05,8.89, height 5.29
5#IRF540N [mm] "5#IRF540N"
  round 1.5 hole 0.8: 1(0,0) 2(2.54,0) 3(5.08,0)
  silkscreen extent -5.08,-1.91 10.16,8.25, body extent -5.08,-1.84 10.16,8.32, height 19.08
5#Terminalx1 [mm] "5#Terminalx1"
  rect 2x2 hole 1 copper offset 0,-0.381: 1(0,0)
  rect 2x2 hole 1: 2(0,-7.62)
  silkscreen extent -2.54,-12.19 2.54,1.27, body extent -2.54,-12.19 2.54,1.27, height 14.1
5V_3V3_Converter [mm] "Bidirectional 5V to 3V3 converter"
  round 1.5 hole 0.8: 1(0,0) 2(2.54,0) 3(5.08,0) 4(7.62,0) 5(10.16,0) 8(2.54,12.7) 9(5.08,12.7) 10(7.62,12.7) 11(10.16,12.7) 12(12.7,12.7)
  rect 1.5x1.5 hole 0.8: 6(12.7,0) 7(0,12.7)
  silkscreen extent -1.27,-1.27 13.97,13.97, body extent 15.75,10.67 15.75,10.67, height 1
6#Bit_Switch_10 [mm] "6#Bit_Switch_10"
  round 1.5 hole 0.8: 1(0,0) 2(2.54,0) 3(5.08,0) 4(7.62,0) 5(10.16,0) 6(12.7,0) 7(15.24,0) 8(17.78,0) 9(20.32,0) 10(22.86,0) 11(0,7.62) 12(2.54,7.62) 13(5.08,7.62) 14(7.62,7.62) 15(10.16,7.62) 16(12.7,7.62) 17(15.24,7.62) 18(17.78,7.62) 19(20.32,7.62) 20(22.86,7.62)
  silkscreen extent -1.91,-1.27 24.77,8.89, body extent -2,-1.14 24.86,8.76, height 6.8
6#RTC_DS3231_4Pin [mm] "RTC_DS3231"
  round 1.5 hole 0.8: 1(0,-5.08) 2(0,-7.62) 3(0,-10.16) 4(0,-12.7)
  round 3.5 hole 3: ""(-32.258,3.556)
  silkscreen extent -36.83,-16.51 1.27,5.08, body extent -37.07,-16.49 3.05,10.67, height 11.66
6_ADS1015 [mm] "ADS1015"
  round 2 hole 1: 1(25.4,1.905) 2(22.86,1.905) 3(20.32,1.905) 4(17.78,1.905) 5(15.24,1.905) 6(12.7,1.905) 7(10.16,1.905) 8(7.62,1.905) 9(5.08,1.905) 10(2.54,1.905)
  silkscreen extent 0,0 27.94,17.14
AXIAL-0.4 [mm] "Axial Device, Thru-Hole; 2 Leads; 0.4 in Pin Spacing"
  round 1.4 hole 0.85: 1(-5.08,0) 2(5.08,0)
  silkscreen extent -4.06,-1.02 4.06,1.02
CN1 [mil]
  round 70 hole 31: 1(0,0) 2(100,0)
  silkscreen extent -40,-40 141,40, body extent -60,-30 170,37, height 265
CP2/5 [mil] "Tu hoa 1000uF/25V,50V"
  rect 90x90 hole 35: 1(0,0)
  round 90 hole 35: 2(200,0)
  silkscreen extent -150,-250 350,250, body extent -142,-246 350,246, height 984
IDC20 [mm] "Header 10x2,20 pin, connecter"
  rect 1.5x2 hole 1: 1(0,0)
  oval 1.5x2 hole 1: 2(2.54,0) 3(5.08,0) 4(7.62,0) 5(10.16,0) 6(12.7,0) 7(15.24,0) 8(17.78,0) 9(20.32,0) 10(22.86,0) 11(0,2.54) 12(2.54,2.54) 13(5.08,2.54) 14(7.62,2.54) 15(10.16,2.54) 16(12.7,2.54) 17(15.24,2.54) 18(17.78,2.54) 19(20.32,2.54) 20(22.86,2.54)
  silkscreen extent -5.1,-3.81 28.07,5.97, body extent -5.09,-3.41 28.11,5.89, height 9.1
RPI-holes [mm]
  rect 1.5x1.5 hole 0.9: 1(4.845,47.755)
  round 1.5 hole 0.9: 2(4.845,50.295) 3(7.385,47.755) 4(7.385,50.295) 5(9.925,47.755) 6(9.925,50.295) 7(12.465,47.755) 8(12.465,50.295) 9(15.005,47.755) 10(15.005,50.295) 11(17.545,47.755) 12(17.545,50.295) 13(20.085,47.755) 14(20.085,50.295) 15(22.625,47.755) 16(22.625,50.295) 17(25.165,47.755) 18(25.165,50.295) 19(27.705,47.755) 20(27.705,50.295) 21(30.245,47.755) 22(30.245,50.295) 23(32.785,47.755) 24(32.785,50.295) 25(35.325,47.755) 26(35.325,50.295) 27(37.865,47.755) 28(37.865,50.295) 29(40.405,47.755) 30(40.405,50.295) 31(42.945,47.755) 32(42.945,50.295) 33(45.485,47.755) 34(45.485,50.295) 35(48.025,47.755) 36(48.025,50.295) 37(50.565,47.755) 38(50.565,50.295) 39(53.105,47.755) 40(53.105,50.295)
  round 6 hole 3: ""(-0.005,0.046) ""(57.995,0.046)
  silkscreen extent -3.53,-3.5 84.57,52.53, body extent -3.52,-5.9 83.5,58.35, height 17.5
UBEC [mm] "Converter to 5V - 3A max 5A"
  round 2 hole 1: 1(-2.54,8.89) 2(-2.54,11.43) 3(37.465,8.89) 4(37.465,11.43)
  silkscreen extent -5.08,0 40,19.68, body extent 0,0 34.93,19.68, height 10